# Altium PCB PCB.PcbDoc (part 1 of 4) (continued)
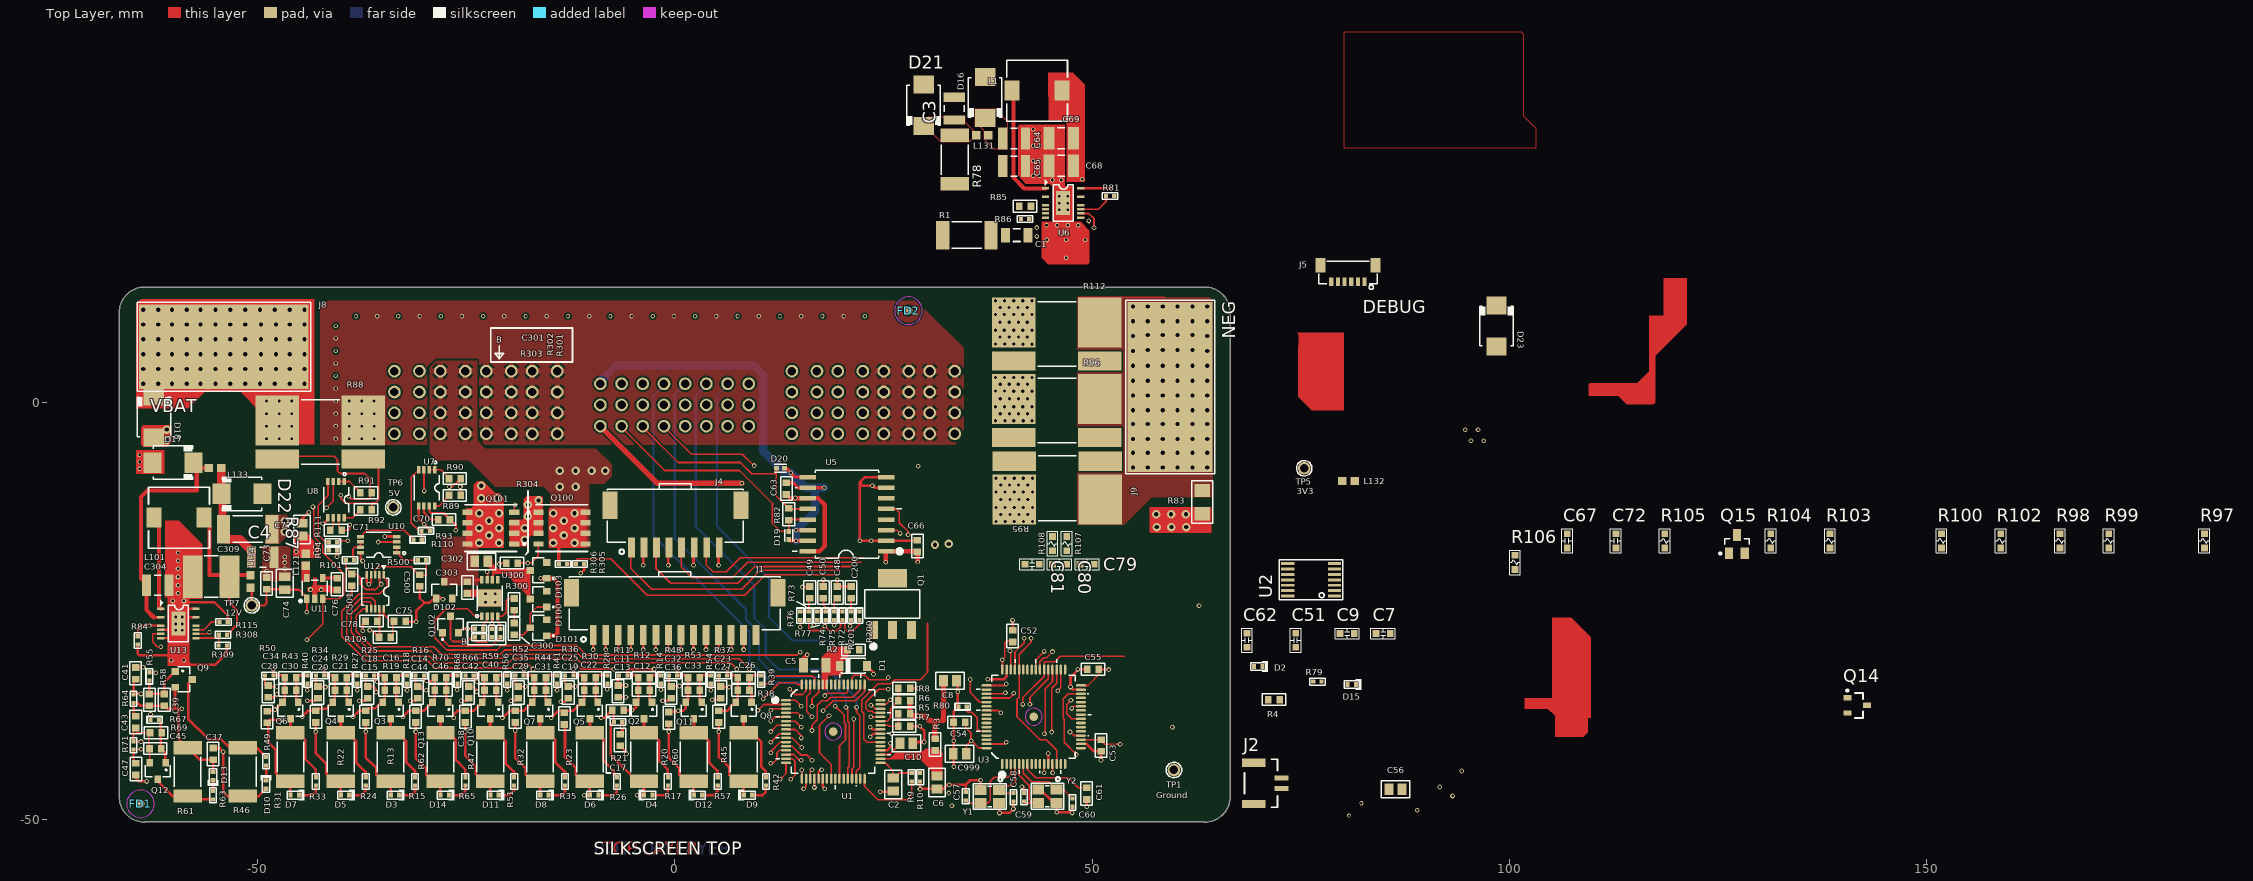
[diagram p0: Top Layer view]
## Components (designator, comment, footprint, x,y, rotation, side; value= is the part's Value field where it differs from the comment)
C1 "1uF, 100v, 1206" C1206 40.992,20.039 r0 top
C2 "2.2uF 10V 0805" C0805 26.187,-45.76 r90 top
C3 "4.7uF 100V 1210" C1210 33.5,35.2 r90 top
C4 "4.7uF 100V 1210" C1210 -49.339,-18.539 r0 top
C5 "1uF, 100v, 1206" C1206 16.792,-31.477 r0 top
C6 "1uf, 25V, 0805" C0805 31.436,-45.526 r270 top
C7 "100n, 100V, 0603" C0603#1 84.856,-27.685 r0 top
C8 "1uf, 25V, 0805" C0805 32.973,-33.334 r0 top
C9 "100n, 100V, 0603" C0603#1 80.556,-27.685 r0 top
C10 "1uf, 25V, 0805" C0805 27.753,-40.827 r0 top
C11 ".022uF, 0603, 100V" C0603#2 -6.791,-34.604 r270 top
C12 "10,000pF, 50V, 0603" C0603#2 -3.678,-34.477 r0 top
C13 "0.1uF, 50V, 0603" C0603#2 -6.791,-36.89 r180 top
C14 ".022uF, 0603, 100V" C0603#2 -30.794,-34.731 r270 top
C15 "0.1uF, 50V, 0603" C0603#2 -37.017,-37.652 r90 top
C16 "10,000pF, 50V, 0603" C0603#2 -34.031,-32.953 r180 top
C17 ".022uF, 0603, 100V" C0603#2 -6.537,-40.446 r270 top
C18 ".022uF, 0603, 100V" C0603#2 -36.763,-34.731 r270 top
C19 "0.1uF, 50V, 0603" C0603#2 -13.203,-37.881 r90 top
C20 "0.1uF, 50V, 0603" C0603#2 -42.986,-37.652 r90 top
C21 "10,000pF, 50V, 0603" C0603#2 -40,-34.477 r180 top
C22 "10,000pF, 50V, 0603" C0603#2 -10.155,-34.477 r180 top
C23 ".022uF, 0603, 100V" C0603#2 5.528,-34.731 r270 top
C24 ".022uF, 0603, 100V" C0603#2 -42.732,-34.731 r270 top
C25 ".022uF, 0603, 100V" C0603#2 -12.76,-34.731 r270 top
C26 "10,000pF, 50V, 0603" C0603#2 8.26,-32.953 r0 top
C27 "0.1uF, 50V, 0603" C0603#2 5.274,-37.652 r270 top
C28 "0.1uF, 50V, 0603" C0603#2 -48.831,-37.687 r90 top
C29 "0.1uF, 50V, 0603" C0603#2 -19.11,-37.652 r90 top
C30 "10,000pF, 50V, 0603" C0603#2 -46.034,-34.477 r180 top
C31 "10,000pF, 50V, 0603" C0603#2 -16.124,-34.477 r180 top
C32 ".022uF, 0603, 100V" C0603#2 -0.441,-34.731 r270 top
C33 "10,000pF, 50V, 0603" C0603#2 2.291,-34.477 r0 top
C34 ".022uF, 0603, 100V" C0603#2 -48.701,-34.604 r270 top
C35 ".022uF, 0603, 100V" C0603#2 -18.729,-34.731 r270 top
C36 "0.1uF, 50V, 0603" C0603#2 -0.695,-37.779 r270 top
C37 "0.1uF, 50V, 0603" C0603#2 -55.305,-42.097 r270 top
C38 "0.1uF, 50V, 0603" C0603#2 -25.079,-37.652 r90 top
C39 "10,000pF, 50V, 0603" C0603#2 -61.147,-35.62 r270 top
C40 "10,000pF, 50V, 0603" C0603#2 -22.093,-34.477 r180 top
C41 ".022uF, 0603, 100V" C0603#2 -64.576,-32.445 r90 top
C42 ".022uF, 0603, 100V" C0603#2 -24.698,-34.731 r270 top
C43 "0.1uF, 50V, 0603" C0603#2 -64.558,-38.304 r270 top
C44 "0.1uF, 50V, 0603" C0603#2 -31.048,-37.652 r90 top
C45 "10,000pF, 50V, 0603" C0603#2 -62.225,-41.462 r180 top
C46 "10,000pF, 50V, 0603" C0603#2 -28.062,-34.477 r180 top
C47 ".022uF, 0603, 100V" C0603#2 -64.551,-43.924 r270 top
C48 "10,000pF, 50V, 0603" C0603#2 19.47,-22.751 r90 top
C49 "10,000pF, 50V, 0603" C0603#2 16.184,-22.751 r90 top
C50 "10,000pF, 50V, 0603" C0603#2 17.819,-22.751 r90 top
C51 "100n, 100V, 0603" C0603#1 74.406,-28.485 r90 top
C52 "0.1uF, 50V, 0603" C0603#2 40.481,-28 r90 top
C53 "0.1uF, 50V, 0603" C0603#2 51.078,-41.09 r270 top
C54 "0.1uF, 50V, 0603" C0603#2 34.108,-38.304 r180 top
C55 "0.1uF, 50V, 0603" C0603#2 50.11,-31.962 r180 top
C56 "4.7uF, 16V, 0603" C0805 86.35,-46.35 r0 top
C57 "8PF, 0402" C0402 34.865,-47.177 r90 top
C58 "8PF, 0402" C0402 40.58,-47.304 r270 top
C59 "8PF, 0402" C0402 41.85,-47.304 r90 top
C60 "8PF, 0402" C0402 47.643,-47.939 r270 top
C61 "100pf, 50V, 0603" C0603#2 49.343,-46.861 r90 top
C62 "100n, 100V, 0603" C0603#1 68.556,-28.485 r90 top
C63 "0.1uF, 50V, 0603" C0603#2 13.376,-10.33 r90 top
C64 "4.7uF 100V 1210" C1210 40.66,31.62 r0 top
C65 "4.7uF 100V 1210" C1210 40.66,28.32 r0 top
C66 "0.1uF, 50V, 0603" C0603#2 29.083,-17.216 r90 top
C67 "0.1uF, 50V, 0603" C0603#1 106.906,-16.585 r90 top
C68 "47uf, 6.3V, 1210" C1210_N 46.305,28.353 r180 top
C69 "47uf, 6.3V, 1210" C1210_N 46.305,31.653 r180 top
C70 "100n, 100V, 0603" C0603#2 -27.619,-14.03 r0 top
C71 "100n, 100V, 0603" C0603#2 -40.569,-15.321 r0 top
C72 "1uF, 50V, 0603" C0603#1 112.756,-16.585 r90 top
C73 "10,000pF, 50V, 0603" C0603#2 -48.895,-21.675 r270 top
C74 "1uf, 25V, 0805" C0805 -46.718,-21.666 r270 top
C75 "10,000pF, 50V, 0603" C0603#2 -32.919,-26.206 r180 top
C76 "10,000pF, 50V, 0603" C0603#2 -40.446,-21.777 r90 top
C77 "2.2uF 10V 0805" C0805 -44.655,-15.234 r270 top
C78 "10,000pF, 50V, 0603" C0603#2 -36.338,-26.184 r0 top
C79 "100n, 100V, 0603" C0603#1 49.41,-19.4 r0 top
C80 "100n, 100V, 0603" C0603#1 46.1,-19.4 r0 top
C81 "100n, 100V, 0603" C0603#1 42.816,-19.4 r0 top
C200 "10,000pF, 50V, 0603" C0603#2 21.121,-22.751 r90 top
C300 "10,000pF, 50V, 0603" C0603#2 -19.237,-27.115 r90 top
C301 "4700pf, 50V, 0402" C0402 -23.428,-27.115 r180 top
C302 "0.33uf, 50V, 0805" C0805 -23.164,-19.039 r180 top
C303 "3300PF, 100V, 0603" C0603#2 -24.825,-22.19 r270 top
C304 "4.7uF 100V 1210" C1210 -61.934,-21.897 r0 top
C309 "22UF, 25V, 2220" C2220 -55.533,-20.863 r180 top
C500 "0.1uF, 50V, 0603" C0603#2 -30.54,-21.333 r270 top
C501 "0.1uF, 50V, 0603" C0603#2 -38.668,-21.247 r270 top
C999 "1uf, 25V, 0805" C0805 34.141,-42.083 r180 top
D1 "60V 500 mW" SOD-123 21.403,-31.556 r270 top
D2 "SML-P12MTT86R, 0402" D0402 69.9,-31.65 r180 top
D3 "SML-P12MTT86R, 0402" D0402 -33.523,-47.05 r180 top
D4 "SML-P12MTT86R, 0402" D0402 -3.17,-47.05 r0 top
D5 "SML-P12MTT86R, 0402" D0402 -39.492,-47.05 r180 top
D6 "SML-P12MTT86R, 0402" D0402 -9.647,-47.05 r180 top
D7 "SML-P12MTT86R, 0402" D0402 -45.526,-47.05 r180 top
D8 "SML-P12MTT86R, 0402" D0402 -15.616,-47.05 r180 top
D9 "SML-P12MTT86R, 0402" D0402 8.768,-47.05 r0 top
D10 "SML-P12MTT86R, 0402" D0402 -48.955,-45.78 r270 top
D11 "SML-P12MTT86R, 0402" D0402 -21.585,-47.05 r180 top
D12 "SML-P12MTT86R, 0402" D0402 2.799,-47.05 r0 top
D13 "SML-P12MTT86R, 0402" D0402 -55.305,-44.764 r90 top
D14 "SML-P12MTT86R, 0402" D0402 -27.554,-47.05 r180 top
D15 "SML-P12UTT86R, 0402" D0402_1 81.1,-33.8 r180 top
D16 "SMBJ48A" DO-214AA 37.2,36.55 r90 top
D17 "SMBJ48A" DO-214AA -60.113,-7.209 r180 top
D18 "SMBJ60A" DO-214AA -62.402,-1.75 r270 top
D19 "TPD1E10B09DPYR" 2X2SON 13.656,-15.935 r90 top
D20 "TPD1E10B09DPYR" 2X2SON 12.674,-7.883 r180 top
D21 "SMBJ60A" DO-214AA 29.825,35.6 r90 top
D22 "SMBJ60A" DO-214AA -51.85,-10.95 r0 top
D23 "SMBJ60A" DO-214AA 98.45,9.143 r270 top
D100 "BAS21" BAS21 -16.316,-23.555 r90 top
D101 "BAS21" BAS21 -16.316,-26.984 r90 top
D102 "BAS21" BAS21 -27.605,-22.488 r0 top
D103 "BZX84C12LT1G" SOT23-3 -16.316,-20.13 r90 top
FD1 "FIDUCIAL_REF" FIDUCIAL_REFDES -64,-48.083 r0 top
FD2 "FIDUCIAL_REF" FIDUCIAL_REFDES 28,11 r0 top
J1 "1.5mm CLIK-MATE 502584-1460" CONN14_1p5mm_SM 0,-25.333 r180 top
J2 "BM02B-GHS-TB" BM02B-GHS-TBT 67.956,-45.635 r0 top
J4 "1.5mm CLIK-MATE 502584-1460" CONN8_1P5MM_SM 0.073,-14.836 r180 top
J5 "SM06B-SURS-TF(LF)(SN)" 0.8mm 80.65,15.45 r180 top
J7 "ET60S-D04-3-08-D04-L-V1-S" ET60S-D04-3-08-D04-L-V1-S -0.016,0 r180 bottom locked
J8 "12GSOLDER" 12GPAD -54,6.67 r90 top
J9 "12GSOLDER" 12GPAD 59.35,1.85 r180 top
L1 "100 uh, 650 mA" IND_SRR7045 43.411,37.355 r0 top
L101 "100 uh, 650 mA" IND_SRR7045 -59.378,-13.809 r0 top
L121 "BLM18AG601SN1D" INDC1608X10N -44.2,-18.85 r90 top
L131 "BLM18AG601SN1D" INDC1608X10N 36.85,32 r0 top
L132 "BLM18AG601SN1D" INDC1608X10N 80.7,-9.4 r0 top
L133 "BLM18AG601SN1D" INDC1608X10N -55.051,-7.85 r180 top
L134 "BLM18AG601SN1D" INDC1608X10N -50.802,-21.46 r270 top
Q1 "SBCP56-16T1" SOT-223 26.083,-24.151 r0 top
Q2 "NVR5124PLT1G" SOT-23 -3.678,-36.89 r180 top
Q3 "NDS7002A" SOT-23 -34.031,-36.89 r180 top
Q4 "NDS7002A" SOT-23 -40,-36.89 r180 top
Q5 "NDS7002A" SOT-23 -10.155,-36.89 r180 top
Q6 "NDS7002A" SOT-23 -46.034,-36.89 r180 top
Q7 "NDS7002A" SOT-23 -16.124,-36.89 r180 top
Q8 "NVR5124PLT1G" SOT-23 8.26,-36.89 r180 top
Q9 "NDS7002A" SOT-23 -58.812,-33.182 r270 top
Q10 "NDS7002A" SOT-23 -22.093,-36.89 r180 top
Q11 "NVR5124PLT1G" SOT-23 2.291,-36.89 r180 top
Q12 "NDS7002A" SOT-23 -61.934,-44.139 r180 top
Q13 "NDS7002A" SOT-23 -28.062,-36.89 r180 top
Q14 "ZXMP10A13F" "SOT90P240X110-3N - ZXMP10A13F" 141.65,-36.3 r0 top
Q15 "BSS123" FAIR-SOT23-3_V 127.256,-16.985 r0 top
Q100 "BSC030N08NS5ATMA1" 8TDSON -13.522,-15.05 r0 top
Q101 "BSC030N08NS5ATMA1" 8TDSON -22.031,-15.05 r180 top
Q102 "MMBT2369" SOT-23-3 -26.857,-26.607 r0 top
R1 "100 ohm, 1W, 2512" 2512 35,20.05 r180 top
R2 "33R, 0603" R0603#1 21.403,-29.651 r180 top
R3 "33R, 0603" R0603#1 31.19,-41 r90 top
R4 "200R, 0603" R0603#1 71.797,-35.6 r180 top
R5 "DNP 0R, 0603" R0603#1 27.499,-37.271 r180 top
R6 "0R, 0603" R0603#1 27.499,-35.747 r180 top
R7 "0R, 0603" R0603#1 27.499,-38.795 r0 top
R8 "DNP 0R, 0603" R0603#1 27.499,-34.223 r0 top
R9 "DNP" R0402 28.388,-44.891 r270 top
R10 "DNP" R0402 29.404,-44.891 r90 top
R11 "1k, 0402" R0402 -6.156,-32.699 r180 top
R12 "330k, 0603" R0603#1 -3.678,-32.953 r0 top
R13 "42.2 OHM 1% 1.5W 2512" 2512 -34.031,-42.478 r270 top
R14 "10k, 0402" R0402 -1.646,-33.207 r270 top
R15 "1k, 0402" R0402 -31.11,-45.399 r90 top
R16 "1k, 0402" R0402 -30.54,-32.699 r180 top
R17 "1k, 0402" R0402 -0.822,-45.399 r90 top
R18 "10k, 0402" R0402 -32.064,-33.207 r270 top
R19 "330k, 0603" R0603#1 -34.031,-34.477 r180 top
R20 "42.2 OHM 1% 1.5W 2512" 2512 -3.678,-42.478 r90 top
R21 "1k, 0402" R0402 -6.791,-38.287 r0 top
R22 "42.2 OHM 1% 1.5W 2512" 2512 -40,-42.478 r270 top
R23 "42.2 OHM 1% 1.5W 2512" 2512 -10.155,-42.478 r270 top
R24 "1k, 0402" R0402 -37.017,-45.399 r90 top
R25 "1k, 0402" R0402 -36.509,-32.699 r180 top
R26 "1k, 0402" R0402 -6.918,-45.399 r90 top
R27 "10k, 0402" R0402 -38.033,-33.207 r270 top
R28 "10k, 0402" R0402 -8.061,-33.207 r270 top
R29 "330k, 0603" R0603#1 -40,-32.953 r180 top
R30 "330k, 0603" R0603#1 -10.155,-32.953 r180 top
R31 "42.2 OHM 1% 1.5W 2512" 2512 -46.034,-42.478 r270 top
R32 "42.2 OHM 1% 1.5W 2512" 2512 -16.124,-42.478 r270 top
R33 "1k, 0402" R0402 -42.986,-45.399 r90 top
R34 "1k, 0402" R0402 -42.478,-32.699 r180 top
R35 "1k, 0402" R0402 -13.141,-45.399 r90 top
R36 "1k, 0402" R0402 -12.633,-32.699 r180 top
R37 "1k, 0402" R0402 5.782,-32.699 r180 top
R38 "330k, 0603" R0603#1 8.26,-34.477 r0 top
R39 "10k, 0402" R0402 10.354,-33.207 r270 top
R40 "10k, 0402" R0402 -44.002,-33.207 r270 top
R41 "10k, 0402" R0402 -14.092,-33.207 r270 top
R42 "1k, 0402" R0402 10.927,-45.399 r90 top
R43 "330k, 0603" R0603#1 -46.034,-32.953 r180 top
R44 "330k, 0603" R0603#1 -16.124,-32.953 r180 top
R45 "42.2 OHM 1% 1.5W 2512" 2512 8.26,-42.478 r90 top
R46 "42.2 OHM 1% 1.5W 2512" 2512 -51.749,-44.256 r270 top
R47 "42.2 OHM 1% 1.5W 2512" 2512 -22.093,-42.478 r270 top
R48 "1k, 0402" R0402 -0.187,-32.699 r180 top
R49 "1k, 0402" R0402 -48.955,-42.994 r90 top
R50 "1k, 0402" R0402 -48.574,-32.699 r180 top
R51 "1k, 0402" R0402 -19.237,-45.399 r90 top
R52 "1k, 0402" R0402 -18.602,-32.699 r180 top
R53 "330k, 0603" R0603#1 2.291,-32.953 r0 top
R54 "10k, 0402" R0402 4.323,-33.207 r270 top
R55 "10k, 0402" R0402 -62.925,-32.826 r90 top
R56 "10k, 0402" R0402 -20.061,-33.207 r270 top
R57 "1k, 0402" R0402 5.147,-45.399 r90 top
R58 "330k, 0603" R0603#1 -62.925,-35.62 r270 top
R59 "330k, 0603" R0603#1 -22.093,-32.953 r180 top
R60 "42.2 OHM 1% 1.5W 2512" 2512 2.291,-42.478 r90 top
R61 "42.2 OHM 1% 1.5W 2512" 2512 -58.353,-44.256 r90 top
R62 "42.2 OHM 1% 1.5W 2512" 2512 -28.062,-42.478 r270 top
R63 "1k, 0402" R0402 -55.305,-47.058 r270 top
R64 "1k, 0402" R0402 -64.83,-35.493 r90 top
R65 "1k, 0402" R0402 -25.079,-45.399 r90 top
R66 "1k, 0402" R0402 -24.571,-32.699 r180 top
R67 "10k, 0402" R0402 -62.298,-38.033 r180 top
R68 "10k, 0402" R0402 -26.03,-33.207 r270 top
R69 "330k, 0603" R0603#1 -62.16,-39.581 r180 top
R70 "330k, 0603" R0603#1 -28.062,-32.953 r180 top
R71 "1k, 0402" R0402 -64.83,-41.081 r270 top
R72 "10k, 0402" R0402 20.121,-25.545 r270 top
R73 "10k, 0402" R0402 16.057,-25.545 r270 top
R74 "10k, 0402" R0402 18.089,-25.545 r270 top
R75 "10k, 0402" R0402 19.105,-25.545 r270 top
R76 "10k, 0402" R0402 15.041,-25.545 r270 top
R77 "10k, 0402" R0402 17.073,-25.545 r270 top
R78 "0.5 OHM 1% 1.5W 2512" 2512 33.55,29.1 r270 top
R79 "1k, 0402" R0402 77,-33.45 r0 top
R80 "10k, 0402" R0402 34.484,-36.447 r180 top
R81 "40.2k, 0402" R0402 52.158,24.733 r0 top
R82 "DNP 120 ohm, 0603" R0603#1 13.656,-13.395 r90 top
R83 "0R, 1206" R1206 63.2,-11.95 r90 top
R84 "100k, 0402" R0402 -64.322,-28.508 r270 top
R85 "330k, 0603" R0603#1 41.98,23.508 r0 top
R86 "15k, 0402" R0402 41.98,21.988 r180 top
R87 "0.5 OHM 1% 1.5W 2512" 2512 -51.15,-15.173 r0 top
R88 "WSL2512R0700FEA" R5931 -42.44,-3.555 r0 top
R89 "60.4, 0603" R0603#1 -26.347,-11.13 r0 top
R90 "60.4, 0603" R0603#1 -26.347,-9.13 r0 top
R91 "60.4, 0603" R0603#1 -36.98,-10.83 r0 top
R92 "60.4, 0603" R0603#1 -36.98,-12.83 r0 top
R93 "10k, 0402" R0402 -29.819,-15.383 r0 top
R94 "10k, 0402" R0402 -40.954,-17.713 r0 top
R95 "WSL59313L000FEA" R5931 45.828,-10.277 r180 top
R96 "WSL59313L000FEA" R5931 45.778,-0.968 r0 top
R97 "1M,1%, 0603" R0603#2 183.256,-16.585 r90 top
R98 "47R, 0603" R0603#2 165.956,-16.585 r90 top
R99 "10k, 0603" R0603#2 171.806,-16.585 r90 top
R100 "10k, 0603" R0603#2 151.756,-16.585 r90 top
R101 "10k, 0402" R0402 -38.916,-18.895 r180 top
R102 "10k, 0603" R0603#2 158.856,-16.585 r90 top
R103 "3.3M, 0603" R0603#2 138.406,-16.585 r90 top
R104 "505k, 0603" R0603#2 131.306,-16.585 r90 top
R105 "505k, 0603" R0603#2 118.606,-16.585 r90 top
R106 "16.5k, 0603" R0603#2 100.671,-19.169 r90 top
R107 "100R, 0603" R0603#2 46.95,-16.91 r270 top
R108 "100R, 0603" R0603#2 45.259,-16.91 r270 top
R109 "FERRITE BEAD 0603" R0603#1 -34.716,-28.122 r180 top
R110 "10k, 0402" R0402 -30.794,-16.443 r0 top
R111 "10k, 0402" R0402 -40.95,-16.718 r0 top
R112 "WSL59313L000FEA" R5931 45.776,8.2 r0 top
R115 "40.2k, 0402" R0402 -54.043,-26.29 r0 top
R200 "10k, 0402" R0402 22.137,-25.545 r270 top
R201 "10k, 0402" R0402 21.121,-25.545 r270 top
R300 "200R, 0603" R0603#1 -19.237,-24.194 r90 top
R301 "100k, 0402" R0402 -20.888,-27.623 r270 top
R302 "15k, 0402" R0402 -21.878,-27.623 r270 top
R303 "4.7k, 0402" R0402 -23.428,-28.131 r0 top
R304 "33R, 0603" R0603#1 -19.491,-19.241 r0 top
R305 "DNP 6.98k," R0402 -11.363,-19.364 r180 top value=6.98k
R306 "DNP, 100k, 0402" R0402 -13.395,-19.364 r180 top
R308 "200k, 0402" R0402 -54.122,-27.835 r180 top
R309 "147K,  0402" R0402 -54.148,-29.118 r0 top
R500 "10k, 0402" R0402 -30.278,-18.895 r0 top
TP1 "Test_point" TP 59.805,-44.026 r0 top
TP5 "Test_point" TP 75.417,-7.889 r90 top
TP6 "Test_point" TP -33.712,-12.57 r0 top
TP7 "Test_point" TP -50.671,-24.307 r0 top
U1 "ISL94212INZ" TQFP-64 18.99,-39.43 r0 top locked
U2 "bq34z100-G1" PW14 76.25,-21.25 r90 top
U3 "STM32F302R8T6" 64LQFP 43.009,-37.652 r90 top
U5 "TJA1052I" 16-SOIC 20.641,-13.395 r90 top
U6 "LTC3630A" LTC3630A 46.527,23.889 r270 top
U7 "LTC6102HVHMS8" 8MSOP -29.711,-10.234 r270 top
U8 "LTC6102HVHMS8" 8MSOP -40.569,-11.638 r270 top
U10 "LTC6078" 8MSOP -35.467,-17.038 r180 top
U11 "AP2210" SOT23-5 -43.113,-22.285 r0 top
U12 "LTC1865LIMS" 10-MSOP -35.874,-22.67 r270 top
U13 "LTC3630A" LTC3630A -59.448,-26.478 r270 top
U300 "LTC4446IMS8E#PBF" 8-MSOP -22.158,-23.432 r90 top
Y1 "CRYSTAL 24.0000MHZ" CRYSTAL_NX3225SA 37.743,-47.215 r180 top
Y2 "CRYSTAL 24.0000MHZ" CRYSTAL_NX3225SA 44.644,-47.177 r180 top

## Footprints (in the part's own frame and the unit in brackets; to place one, negate y for a bottom-side part, rotate by r counter-clockwise, add the part's x,y. Pads: shape width x height; smd on the part's side, far side on the other; paste and mask are expansions set on the pad)
0.8mm [mm]
  rect 0.5x1 smd mask+0.064: 1(-2,0.975) 2(-1.2,0.975) 3(-0.4,0.975) 4(0.4,0.975) 5(1.2,0.975) 6(2,0.975)
  rect 1.2x1.7 smd mask+0.064: ""(-3.3,-0.975) ""(3.3,-0.975)
  silkscreen extent -3.5,-1.48 3.5,1.9, body extent -3.5,-1.43 3.5,1.27, height 1.7
2X2SON [mm]
  rect 0.6x0.5 smd mask+0.064: 1(-0.5,0) 2(0.5,0)
  silkscreen extent -0.69,-0.46 0.69,0.46, body extent -0.65,-0.35 0.65,0.35, height 0.4
8-MSOP [mil] "IC OPAMP JFET 11MHZ SGL 8MSOP"
  rect 35x16.5 smd mask+2: 1(-85.68,38.39) 2(-85.68,12.8) 3(-85.68,-12.8) 4(-85.68,-38.39) 5(85.68,-38.39) 6(85.68,-12.8) 7(85.68,12.8) 8(85.68,38.39)
  rect 82x110 smd paste-80 mask+2: 9(0,0)
  silkscreen extent -92,-59 59,67, body extent -97,-59 97,59, height 43
8MSOP [mil] "IC OPAMP JFET 11MHZ SGL 8MSOP"
  rect 35x16.5 smd mask+2: 1(-85.46,38.39) 2(-85.46,12.8) 3(-85.46,-12.8) 4(-85.46,-38.39) 5(85.46,-38.39) 6(85.46,-12.8) 7(85.46,12.8) 8(85.46,38.39)
  silkscreen extent -127,-59 59,59, body extent -97,-59 97,59, height 43
8TDSON [mm] "TDSON 8, 1.27mm pitch; 8 pin,5.15 mm W X 5.9 mm L X 1.10 mm H body"
  rect 1.2x0.65 smd paste+0 mask+0.064: 1(-2.809,1.905) 2(-2.809,0.635) 3(-2.809,-0.635) 4(-2.809,-1.905)
  rect 1.2x0.65 smd mask+0.064: 5(2.81,-1.905) 6(2.81,-0.635) 7(2.81,0.635) 8(2.81,1.905)
  Top Layer region: 2.941,2.35 -1.559,2.35 -1.559,-2.35 2.941,-2.35
  silkscreen extent -4.12,-2.8 3.1,2.8, body extent -3.07,-2.7 3.07,2.7, height 1.01
10-MSOP [mil] "IC DAC 12BIT SRL DUAL 10MSOP"
  rect 35x12 smd mask+2.3: 1(-80.15,39.37) 2(-80.15,19.69) 3(-80.15,0) 4(-80.15,-19.69) 5(-80.15,-39.37) 6(80.15,-39.37) 7(80.15,-19.69) 8(80.15,0) 9(80.15,19.69) 10(80.15,39.37)
  silkscreen extent -125,-63 64,63, body extent -96,-63 96,62, height 43
12GPAD [mm]
  rect 10.16x20.32 smd paste-12.7 mask+0.064: 1(0,0)
  silkscreen extent -5.33,-10.41 5.33,10.41
16-SOIC [mm] "16-SOIC (0.295\", 7.50mm Width)"
  rect 0.55x1.95 smd mask+0.051: 1(-4.445,-4.7) 2(-3.175,-4.7) 3(-1.905,-4.7) 4(-0.635,-4.7) 5(0.635,-4.7) 6(1.905,-4.7) 7(3.175,-4.7) 8(4.445,-4.7) 9(4.445,4.7) 10(3.175,4.7) 11(1.905,4.7) 12(0.635,4.7) 13(-0.635,4.7) 14(-1.905,4.7) 15(-3.175,4.7) 16(-4.445,4.7)
  silkscreen extent -5.25,-6.58 5.25,6.58, body extent -5.15,-5.12 5.15,5.18, height 2.65
64LQFP [mm] "ADS1675IPAG"
  round 1.016 smd paste-0.508 mask+0.508: 0(0,0)
  oval 1.2x0.3 smd mask+0.051: 1(-5.65,3.75) 2(-5.65,3.25) 3(-5.65,2.75) 4(-5.65,2.25) 5(-5.65,1.75) 6(-5.65,1.25) 7(-5.65,0.75) 8(-5.65,0.25) 9(-5.65,-0.25) 10(-5.65,-0.75) 11(-5.65,-1.25) 12(-5.65,-1.75) 13(-5.65,-2.25) 14(-5.65,-2.75) 15(-5.65,-3.25) 16(-5.65,-3.75) 33(5.65,-3.75) 34(5.65,-3.25) 35(5.65,-2.75) 36(5.65,-2.25) 37(5.65,-1.75) 38(5.65,-1.25) 39(5.65,-0.75) 40(5.65,-0.25) 41(5.65,0.25) 42(5.65,0.75) 43(5.65,1.25) 44(5.65,1.75) 45(5.65,2.25) 46(5.65,2.75) 47(5.65,3.25) 48(5.65,3.75)
  oval 0.3x1.2 smd mask+0.051: 17(-3.75,-5.65) 18(-3.25,-5.65) 19(-2.75,-5.65) 20(-2.25,-5.65) 21(-1.75,-5.65) 22(-1.25,-5.65) 23(-0.75,-5.65) 24(-0.25,-5.65) 25(0.25,-5.65) 26(0.75,-5.65) 27(1.25,-5.65) 28(1.75,-5.65) 29(2.25,-5.65) 30(2.75,-5.65) 31(3.25,-5.65) 32(3.75,-5.65) 49(3.75,5.65) 50(3.25,5.65) 51(2.75,5.65) 52(2.25,5.65) 53(1.75,5.65) 54(1.25,5.65) 55(0.75,5.65) 56(0.25,5.65) 57(-0.25,5.65) 58(-0.75,5.65) 59(-1.25,5.65) 60(-1.75,5.65) 61(-2.25,5.65) 62(-2.75,5.65) 63(-3.25,5.65) 64(-3.75,5.65)
  Top Layer keep-out circle w0.025: c0,0 r1.016
  silkscreen extent -7.21,-6.88 6.91,6.86, body extent -6,-6 6,6, height 1.2
2512 [mm] "Basic 2512 footprint"
  rect 1.6x3.4 smd mask+0.075: 1(-2.9,0) 2(2.9,0)
  silkscreen extent -1.8,-1.6 1.8,1.6, body extent -3.3,-1.6 3.3,1.6, height 2
BAS21 [mm] "TO-236-3, SC-59, SOT-23-3"
  rect 0.8x0.9 smd: 2(0.95,-1) A(-0.95,-1) C(0,1)
  silkscreen extent -1.5,-1.88 1.5,0.71, body extent -1.45,-1.18 1.45,1.24, height 0.98
BM02B-GHS-TBT [mm] "JST GH Series, Top Entry Type, 02 position"
  rect 1.7x0.6 smd: 1(4.75,-0.625) 2(4.75,0.625)
  rect 2.8x1 smd: TAB1(1.4,-2.475) TAB2(1.4,2.475)
  silkscreen extent 0.3,-2.88 4.25,2.88
C0402 [mm]
  rect 0.5x0.5 smd mask+0.064: 1(-0.5,0) 2(0.5,0)
  silkscreen extent -0.91,-0.41 0.91,0.41, body extent -0.52,-0.3 0.52,0.3, height 0.34
C0603#1 [mm]
  rect 0.8x0.8 smd: 1(-0.85,0) 2(0.85,0)
  silkscreen extent -1.45,-0.65 1.45,0.65
C0603#2 [mm] "Chip Capacitor, 2-Leads, Body 1.6x0.8mm, IPC High Density"
  rect 0.8x0.9 smd mask+0.064: 1(-0.7,0) 2(0.7,0)
  Top Layer pour cut-out: -0.356,0.508 0.356,0.508 0.356,-0.508 -0.356,-0.508
  silkscreen extent -1.4,-0.7 1.4,0.7, body extent -0.8,-0.43 0.8,0.37, height 0.3
C0805 [mm] "Chip Capacitor, 2-Leads, Body 2.0x1.2mm, IPC High Density"
  rect 1.05x1.35 smd: 1(-0.775,0) 2(0.775,0)
  Top Layer pour cut-out: -0.305,0.762 0.305,0.762 0.305,-0.762 -0.305,-0.762
  silkscreen extent -1.7,-1 1.7,1, body extent -1,-0.62 1,0.63, height 0.78
C1206 [mm] "Chip Capacitor, Body 3.2x1.6mm, IPC High Density"
  rect 1.1x1.7 smd: 1(-1.35,0) 2(1.35,0)
  silkscreen extent -0.4,-0.75 0.4,0.75, body extent -1.7,-0.9 1.7,0.9, height 1.3
C1210 [mm] "Chip Resistor, Body 3.2x2.5mm, IPC High Density"
  rect 1.1x2.6 smd: 1(-1.35,0) 2(1.35,0)
  silkscreen extent -0.4,-1.2 0.4,1.2, body extent -1.6,-1.25 1.6,1.25, height 1.3
C1210_N [mm] "Chip Capacitor, Body 3.2x2.5mm, IPC Medium Density"
  rect 1.3x2.7 smd: 1(-1.45,0) 2(1.45,0)
  silkscreen extent -0.4,-1.25 0.4,1.25, body extent -1.7,-1.35 1.7,1.35, height 1.5
C2220 [mm] "Basic 2220 footprint"
  rect 2.35x5.08 smd mask+0.075: 1(-2.2,0) 2(2.2,0)
  silkscreen extent -0.84,-2.5 0.81,2.5, body extent -2.9,-2.5 2.9,2.5, height 3.1
CONN8_1P5MM_SM [mm] "CONN8_1P5MM_SM"
  rect 0.8x2.4 smd mask+0.051: 1(5.25,2.525) 2(3.75,2.525) 3(2.25,2.525) 4(0.75,2.525) 5(-0.75,2.525) 6(-2.25,2.525) 7(-3.75,2.525) 8(-5.25,2.525)
  rect 1.8x3.3 smd mask+0.051: ""(-7.85,-2.525) ""(7.85,-2.525)
  silkscreen extent -8.15,-5.08 8.15,3.33, body extent -8.15,-4.07 8.15,3.56, height 3.18
CONN14_1p5mm_SM [mm] "CONN14_1P5MM_SM"
  rect 0.8x2.4 smd mask+0.051: 1(9.75,2.525) 2(8.25,2.525) 3(6.75,2.525) 4(5.25,2.525) 5(3.75,2.525) 6(2.25,2.525) 7(0.75,2.525) 8(-0.75,2.525) 9(-2.25,2.525) 10(-3.75,2.525) 11(-5.25,2.525) 12(-6.75,2.525) 13(-8.25,2.525) 14(-9.75,2.525)
  rect 1.8x3.3 smd mask+0.051: ""(-12.35,-2.525) ""(12.35,-2.525)
  silkscreen extent -12.65,-5.08 12.65,3.33, body extent -12.65,-4.45 12.65,3.18, height 13.18
CRYSTAL_NX3225SA [mm] "TCXO 4 Pin 2520 Package"
  rect 1.4x1.2 smd mask+0.051: 1(-1.1,-0.8) 2(1.1,-0.8) 3(1.1,0.8) 4(-1.1,0.8)
  silkscreen extent -1.96,-2.3 1.96,1.55, body extent -1.65,-1.25 1.63,1.25, height 0.6
D0402 [mm]
  rect 0.5x0.6 smd mask+0.051: A(0.5,0) C(-0.5,0)
  silkscreen extent -1.14,-0.64 0.89,0.63, body extent -0.5,-0.3 0.5,0.3, height 0.25
D0402_1 [mm]
  rect 0.5x0.6 smd mask+0.051: 1(0.5,0) 2(-0.5,0)
  silkscreen extent -1.14,-0.64 0.89,0.63, body extent -0.5,-0.3 0.5,0.3, height 0.25
DO-214AA [mil] "DO214AC SMT Diode footprint cathode pin 1"
  rect 85x96 smd mask+2.5: 1(96.93,0) 2(-96.93,0)
  silkscreen extent -94,-79 94,79, body extent -91,-79 91,79, height 103
ET60S-D04-3-08-D04-L-V1-S [mil] "ET60S-D04-3-08-D04-L-V1-S"
  round 60 hole 40 mask+3: 1(350,-111.81) 2(250,-111.81) 3(150,-111.81) 4(50,-111.81) 5(-50,-111.81) 6(-150,-111.81) 7(-250,-111.81) 8(-350,-111.81) 9(350,-11.81) 10(250,-11.81) 11(150,-11.81) 12(50,-11.81) 13(-50,-11.81) 14(-150,-11.81) 15(-250,-11.81) 16(-350,-11.81) 17(350,88.19) 18(250,88.19) 19(150,88.19) 20(50,88.19) 21(-50,88.19) 22(-150,88.19) 23(-250,88.19) 24(-350,88.19) P1(1203.15,-147.64) P1(1203.15,-49.21) P1(1203.15,49.21) P1(1203.15,147.64) P1(1321.26,-147.64) P1(1321.26,-49.21) P1(1321.26,49.21) P1(1321.26,147.64) P2(986.61,-147.64) P2(986.61,-49.21) P2(986.61,49.21) P2(986.61,147.64) P2(1104.72,-147.64) P2(1104.72,-49.21) P2(1104.72,49.21) P2(1104.72,147.64) P3(770.08,-147.64) P3(770.08,-49.21) P3(770.08,49.21) P3(770.08,147.64) P3(888.19,-147.64) P3(888.19,-49.21) P3(888.19,49.21) P3(888.19,147.64) P4(553.54,-147.64) P4(553.54,-49.21) P4(553.54,49.21) P4(553.54,147.64) P4(671.65,-147.64) P4(671.65,-49.21) P4(671.65,49.21) P4(671.65,147.64) P5(-671.65,-147.64) P5(-671.65,-49.21) P5(-671.65,49.21) P5(-671.65,147.64) P5(-553.54,-147.64) P5(-553.54,-49.21) P5(-553.54,49.21) P5(-553.54,147.64) P6(-888.19,-147.64) P6(-888.19,-49.21) P6(-888.19,49.21) P6(-888.19,147.64) P6(-770.08,-147.64) P6(-770.08,-49.21) P6(-770.08,49.21) P6(-770.08,147.64) P7(-1104.72,-147.64) P7(-1104.72,-49.21) P7(-1104.72,49.21) P7(-1104.72,147.64) P7(-986.61,-147.64) P7(-986.61,-49.21) P7(-986.61,49.21) P7(-986.61,147.64) P8(-1321.26,-147.64) P8(-1321.26,-49.21) P8(-1321.26,49.21) P8(-1321.26,147.64) P8(-1203.15,-147.64) P8(-1203.15,-49.21) P8(-1203.15,49.21) P8(-1203.15,147.64)
  silkscreen extent -1669,-367 1670,354, body extent -1673,-369 1665,340, height 567
FAIR-SOT23-3_V [mm] "SOT23, 3-Leads, Body 2.92x1.3mm, Pitch 0.95mm"
  rect 1x1.4 smd: 1(-0.95,-1.1) 2(0.95,-1.1) 3(0,1.1)
  silkscreen extent -2.12,-1.22 1.46,0.65, body extent -1.46,-0.65 1.46,0.65, height 1.2
FIDUCIAL_REFDES [mil]
  round 40 smd mask+40: ""(0,0)
  Top Layer keep-out circle w1: c0,0 r65
IND_SRR7045 [mm] "Bourns Inductor Series SRR7045"
  rect 1.8x2.4 smd: 1(-3,0) 2(3,0)
  silkscreen extent -3.65,-3.65 3.65,3.65, body extent -3.65,-3.65 3.65,3.65, height 4.5
INDC1608X10N [mm] "Chip Inductor, 2-Leads, Body 1.60x0.80mm, IPC Medium Density"
  rect 1.02x0.98 smd: 1(-0.74,0) 2(0.74,0)
  body extent -0.87,-0.48 0.87,0.48, height 0.95
LTC3630A [mm]
  rect 0.305x0.89 smd mask+0.051: 1(-1.75,-2.105) 3(-0.75,-2.105) 5(0.25,-2.105) 6(0.75,-2.105) 7(1.25,-2.105) 8(1.75,-2.105) 9(1.75,2.105) 10(1.25,2.105) 11(0.75,2.105) 12(0.25,2.105) 14(-0.75,2.105) 16(-1.75,2.105)
  rect 2.9x1.7 smd paste-3.861 mask+0.051: 17(0,0)
  silkscreen extent -2.84,-2.21 2.21,1.2, body extent -2.06,-2.49 2.11,2.49, height 0.6
PW14 [mm] "14-TSSOP (0.173\", 4.40mm Width)"
  rect 0.35x1.6 smd mask+0.05: 1(-1.95,-2.8) 2(-1.3,-2.8) 3(-0.65,-2.8) 4(0,-2.8) 5(0.65,-2.8) 6(1.3,-2.8) 7(1.95,-2.8) 8(1.95,2.8) 9(1.3,2.8) 10(0.65,2.8) 11(0,2.8) 12(-0.65,2.8) 13(-1.3,2.8) 14(-1.95,2.8)
  silkscreen extent -2.4,-3.8 2.4,3.8, body extent -2.25,-2.2 2.25,2.2, height 1.2
R0402 [mm]
  rect 0.5x0.5 smd mask+0.064: 1(-0.5,0) 2(0.5,0)
  silkscreen extent -0.91,-0.41 0.91,0.41, body extent -0.52,-0.3 0.52,0.3, height 0.34
R0603#1 [mm] "Chip Capacitor, 2-Leads, Body 1.6x0.8mm, IPC High Density"
  rect 0.8x0.9 smd mask+0.064: 1(-0.7,0) 2(0.7,0)
  Top Layer pour cut-out: -0.356,0.508 0.356,0.508 0.356,-0.508 -0.356,-0.508
  silkscreen extent -1.4,-0.7 1.4,0.7, body extent -0.8,-0.43 0.8,0.37, height 0.3
R0603#2 [mm]
  rect 0.8x0.8 smd: 1(-0.85,0) 2(0.85,0)
  silkscreen extent -1.45,-0.65 1.45,0.65
R1206 [mm] "Chip Capacitor; Body 3.2 x 1.6 mm (LxW typ)"
  rect 1.6x1.8 smd: 1(-1.4,0) 2(1.4,0)
  silkscreen extent -2.54,-1.27 2.54,1.27, body extent -1.6,-0.8 1.6,0.8, height 1
R5931 [mm]
  rect 5.2x6 smd paste-8.738: 1(-5.15,1.375) 2(5.15,1.375)
  rect 5.2x2.3 smd: 3(-5.15,-3.225)
  rect 5.2x2.3 smd mask+0.102: 4(5.15,-3.225)
  silkscreen extent -2.3,-3.88 2.3,3.88, body extent -7.5,-3.88 7.5,3.88, height 1.33
SOD-123 [mil] "SOD-123"
  rect 48x36 smd mask+2: A(0,64.51) C(0,-64.51)
  silkscreen extent -35,-56 35,56, body extent -33,-76 34,76, height 56
SOT23-3 [mm] "TO-236-3, SC-59, SOT-23-3"
  rect 0.8x0.9 smd: 2(0.95,-1) A(-0.95,-1) C(0,1)
  silkscreen extent -1.5,-1.88 1.5,0.71, body extent -1.45,-1.18 1.45,1.24, height 0.98
SOT23-5 [mm]
  rect 0.66x1 smd: 1(-0.95,-1.25) 2(0,-1.25) 3(0.95,-1.25) 4(0.95,1.25) 5(-0.95,1.25)
  silkscreen extent -1.8,-1.6 1.5,1, body extent -1.46,-1.17 1.46,1.17, height 1
"SOT90P240X110-3N - ZXMP10A13F" [mm] "SOT23, 3-Leads, Body 2.90x2.40mm, Pitch 0.90mm, IPC Medium Density"
  rect 0.95x0.65 smd: 1(-1.175,0.9) 2(-1.175,-0.9) 3(1.175,0)
  silkscreen extent -1.3,-1.5 0.7,1.9, body extent -1.25,-1.5 1.25,1.5, height 1.1
SOT-23 [mm] "TO-236-3, SC-59, SOT-23-3"
  rect 0.8x0.9 smd: D(0,1) G(-0.95,-1) S(0.95,-1)
  silkscreen extent -1.5,-0.7 1.5,0.71, body extent -1.45,-1.18 1.45,1.24, height 0.98
SOT-23-3 [mm] "TO-236-3, SC-59, SOT-23-3"
  rect 0.8x0.9 smd: 1(-0.95,-1) 2(0.95,-1) 3(0,1)
  silkscreen extent -1.5,-1.88 1.5,0.71, body extent -1.45,-1.18 1.45,1.24, height 0.98
SOT-223 [mil]
  rect 43x86 smd: 1(-90,-122) 2(0,-122) 3(90,-122)
  rect 138x86 smd: 4(0,122)
  silkscreen extent -130,-210 130,68, body extent -125,-131 131,143, height 67
TP [mil]
  round 60 hole 40 mask+2.5: 1(0,0)
  silkscreen extent -36,-36 36,36
TQFP-64 [mm] "ADS1675IPAG"
  round 1.016 smd paste-0.508 mask+0.508: 0(0,0)
  oval 1.2x0.3 smd mask+0.051: 1(-5.65,3.75) 2(-5.65,3.25) 3(-5.65,2.75) 4(-5.65,2.25) 5(-5.65,1.75) 6(-5.65,1.25) 7(-5.65,0.75) 8(-5.65,0.25) 9(-5.65,-0.25) 10(-5.65,-0.75) 11(-5.65,-1.25) 12(-5.65,-1.75) 13(-5.65,-2.25) 14(-5.65,-2.75) 15(-5.65,-3.25) 16(-5.65,-3.75) 33(5.65,-3.75) 34(5.65,-3.25) 35(5.65,-2.75) 36(5.65,-2.25) 37(5.65,-1.75) 38(5.65,-1.25) 39(5.65,-0.75) 40(5.65,-0.25) 41(5.65,0.25) 42(5.65,0.75) 43(5.65,1.25) 44(5.65,1.75) 45(5.65,2.25) 46(5.65,2.75) 47(5.65,3.25) 48(5.65,3.75)
  oval 0.3x1.2 smd mask+0.051: 17(-3.75,-5.65) 18(-3.25,-5.65) 19(-2.75,-5.65) 20(-2.25,-5.65) 21(-1.75,-5.65) 22(-1.25,-5.65) 23(-0.75,-5.65) 24(-0.25,-5.65) 25(0.25,-5.65) 26(0.75,-5.65) 27(1.25,-5.65) 28(1.75,-5.65) 29(2.25,-5.65) 30(2.75,-5.65) 31(3.25,-5.65) 32(3.75,-5.65) 49(3.75,5.65) 50(3.25,5.65) 51(2.75,5.65) 52(2.25,5.65) 53(1.75,5.65) 54(1.25,5.65) 55(0.75,5.65) 56(0.25,5.65) 57(-0.25,5.65) 58(-0.75,5.65) 59(-1.25,5.65) 60(-1.75,5.65) 61(-2.25,5.65) 62(-2.75,5.65) 63(-3.25,5.65) 64(-3.75,5.65)
  Top Layer keep-out circle w0.025: c0,0 r1.016
  silkscreen extent -7.21,-6.88 6.91,6.86, body extent -6,-6 6,6, height 1.2

## Part data
C1 C5: library part Cap, "CAP CER 1UF 100V X7R 1210 AUTO F", Capacitance=1uF, Case/Package=1210, Dielectric=X7R, Dielectric Material=Ceramic, Manufacturer=KEMET, Manufacturer Part Number=C1210X105K1RACAUTO, Supplier Part Number 1=399-16434-1-ND, Tolerance=10%, Voltage Rating (DC)=100V, Pricing 1="1=2.07, 10=1.677, 100=1.2803, 500=0.9755, 1000=0.85356 (USD)", Stock 1=335, Supplier 1=Digi-Key
C2 C77: library part CAP-Generic-0805, "CAP CER 2.2UF 10V 10% X7R 0805", Capacitance=2.2uF, Case/Package=0805, Case Code (Metric)=2012, Dielectric=X7R, Dielectric Material=Ceramic, Manufacturer=KEMET, Manufacturer Part Number=C0805X225K8RACAUTO, Max Operating Temperature=125°C, Min Operating Temperature=-55°C, Ratings=AEC-Q200, Supplier Part Number 1=399-11602-1-ND, Tolerance=10%, Voltage Rating=10V, Case Code (Imperial)=0805, Features="Soft Termination", Length=0.079inch, Mount="Surface Mount", Packaging="Tape and Reel", Pricing 1="1=0.9, 10=0.667, 100=0.4571, 500=0.36184, 1000=0.3047 (USD)", Pricing 2="1=1.06, 10=0.715, 50=0.715, 100=0.446, 1000=0.369, 10000=0.228 (USD)", Stock 1=2328, Stock 2=4965, Supplier 1=Digi-Key, Supplier 2=Mouser, Supplier Part Number 2=80-C0805X225K8RAUTO, Thickness=0.055inch, Voltage Rating (DC)=10V, Width=0.049inch
C3 C4: library part CAP-GENERIC, "CAP CER 4.7UF 100V 10% X7S 1210", Capacitance=4.7uF, Case Code (Imperial)=1210, Case Code (Metric)=3225, Dielectric=X7S, Manufacturer=TDK, Manufacturer Part Number=CGA6M3X7S2A475K200AE, Max Operating Temperature=125°C, Min Operating Temperature=-55°C, Package Quantity=1, Ratings=AEC-Q200, Supplier Part Number 1=445-8790-1-ND, Tolerance=10%, Voltage Rating=100V, Case/Package=1210, ComponentLink1Description=http://www.mouser.com/ds/2/400/lcc_automotive_midvoltage_en-355485.pdf, ComponentLink1URL=http://www.mouser.com/ds/2/400/lcc_automotive_midvoltage_en-355485.pdf, ComponentLink2Description=http://www.farnell.com/datasheets/1839935.pdf, ComponentLink2URL=http://www.farnell.com/datasheets/1839935.pdf, ComponentLink3Description=http://www.mouser.com/ds/2/400/lcc_commercial_soft_en-775842.pdf, ComponentLink3URL=http://www.mouser.com/ds/2/400/lcc_commercial_soft_en-775842.pdf, Depth=2.5mm, Features="Soft Termination", Height=2mm, Lead Free="Lead Free", Length=3.2mm, Mount="Surface Mount", Packaging="Tape and Reel", Pricing 1="1=2.3, 10=1.86, 100=1.42, 500=1.08192 (USD)", Pricing 2="1=2.3, 10=1.86, 50=1.86, 100=1.42, 1000=0.98, 10000=0.98 (USD)", REACH SVHC="No SVHC", Stock 1=0, Stock 2=205, Supplier 1=Digi-Key, Supplier 2=Mouser, Supplier Part Number 2=810-CGA6M3X7S2A475KS, Termination=SMD/SMT, Thickness=0.087inch, Voltage Rating (DC)=100V, Weight=0.000564oz, Width=0.098inch
C6 C8 C10 C74 C999: library part CAP-Generic-0402, "CAP CER 1UF 25V X7R 0805", Capacitance=1uF, Case/Package=0805, Case Code (Metric)=2012, Dielectric=X7R, Manufacturer=Murata, Manufacturer Part Number=GCJ21BR71E105KA12L, Max Operating Temperature=125°C, Min Operating Temperature=-55°C, Package Quantity=3000, Ratings=AEC-Q200, Supplier Part Number 1=490-5802-1-ND, Tolerance=10%, Voltage Rating=25V, Case Code (Imperial)=0805, Depth=1.25mm, Features="Soft Termination", Lead Free="Lead Free", Length=2mm, Mount="Surface Mount", Packaging="Tape and Reel", Pricing 1="1=0.48, 10=0.333, 100=0.1997, 500=0.14974, 1000=0.12645 (USD)", Stock 1=116649, Supplier 1=Digi-Key, Termination=SMD/SMT, Thickness=0.057inch, Voltage Rating (DC)=25V, Width=1.25mm
C7 C9 C51 C62 C79 C80 C81: library part Cap, "CAP CER 100n 100V X7R 0603", Capacitance=100nF, Case Code (Imperial)=0603, Case Code (Metric)=1608, Manufacturer=Murata, Manufacturer Part Number=GCJ188R72A104KA01D, Max Operating Temperature=125°C, Min Operating Temperature=-55°C, Ratings=AEC-Q200, Supplier Part Number 1=490-13420-1-ND, Tolerance=10%, Voltage Rating=100V, Case/Package=0603, Features="Soft Termination", Lead Free="Lead Free", Length=0.063inch, Mount="Surface Mount", Packaging="Tape and Reel", Pricing 1="1=0.28, 10=0.189, 100=0.1073, 500=0.07578, 1000=0.0663 (USD)", Pricing 2="1=0.26, 10=0.173, 50=0.173, 100=0.099, 1000=0.061, 10000=0.05 (USD)", Stock 1=224293, Stock 2=680575, Supplier 1=Digi-Key, Supplier 2=Mouser, Supplier Part Number 2=81-GCJ188R72A104KA1D, Thickness=0.035inch, Width=0.031inch
C11 C14 C17 C18 C23 C24 C25 C32 C34 C35 C41 C42 C47: library part CAP-Generic-0402, "CAP CER 0.022UF 100V X7R 0603", Capacitance=22nF, Case/Package=0603, Case Code (Metric)=1608, Dielectric=X7R, Manufacturer=Murata, Manufacturer Part Number=GCJ188R72A223KA01D, Max Operating Temperature=125°C, Min Operating Temperature=-55°C, Package Quantity=4000, Ratings=AEC-Q200, Supplier Part Number 1=490-5769-1-ND, Tolerance=10%, Voltage Rating=100V, Case Code (Imperial)=0603, ComponentLink1Description=http://www.mouser.com/ds/2/212/KEM_C1002_X7R_SMD-1102033.pdf, ComponentLink1URL=http://www.mouser.com/ds/2/212/KEM_C1002_X7R_SMD-1102033.pdf, ComponentLink2Description=https://www.verical.com/server-webapp/html/getDatasheet?partID=38414, ComponentLink2URL=https://www.verical.com/server-webapp/html/getDatasheet?partID=38414, ComponentLink3Description=https://www.murata.com/~/media/webrenewal/support/library/catalog/products/capacitor/mlcc/c03e.ashx?la=en-us&src-supplier=Digi-Key, ComponentLink3URL=https://www.murata.com/~/media/webrenewal/support/library/catalog/products/capacitor/mlcc/c03e.ashx?la=en-us&src-supplier=Digi-Key, ComponentLink4Description=http://search.murata.co.jp/Ceramy/image/img/A01X/partnumbering_e_02.pdf?src-supplier=Digi-Key, ComponentLink4URL=http://search.murata.co.jp/Ceramy/image/img/A01X/partnumbering_e_02.pdf?src-supplier=Digi-Key, Depth=0.8mm, Features="Soft Termination", Height=0.8mm, Lead Free="Lead Free", Length=1.6mm, Mount="Surface Mount", Packaging="Tape and Reel", Pricing 1="1=0.4, 10=0.277, 100=0.1572, 500=0.11096, 1000=0.0971 (USD)", Radiation Hardening=No, Stock 1=480265, Supplier 1=Digi-Key, Termination=SMD/SMT, Thickness=0.031inch, Voltage Rating (DC)=100V, Width=0.031inch
C12 C16 C21 C22 C26 C30 C31 C33 C39 C40 C45 C46 C48 C49 C50 C73 C75 C76 C78 C200 C300: library part CAP-Generic-0603, "CAP CER 10000PF 50V X7R 0603", Capacitance=10nF, Case/Package=0603, Case Code (Metric)=1608, Dielectric=X7R, Manufacturer=TDK, Manufacturer Part Number=CGA3E2X7R1H103K080AE, Max Operating Temperature=125°C, Min Operating Temperature=-55°C, Package Quantity=4000, Ratings=AEC-Q200, Supplier Part Number 1=445-15955-1-ND, Tolerance=10%, Voltage Rating=50V, Case Code (Imperial)=0603, Features="Soft Termination", Height=0.8mm, Length=0.063inch, Mount="Surface Mount", Packaging="Tape and Reel", Pricing 1="1=0.27, 10=0.186, 100=0.0944, 500=0.06458, 1000=0.05713 (USD)", Stock 1=42633, Supplier 1=Digi-Key, Termination=SMD/SMT, Thickness=0.035inch, Voltage Rating (DC)=50V, Weight=7.1E-05oz, Width=0.031inch
C13 C15 C19 C20 C27 C28 C29 C36 C37 C38 C43 C44 C52 C53 C54 C55 C63 C66 C67 C500 C501: library part CAP-Generic-0603, "CAP CER 0.1UF 50V 10% X7R 0603", Case/Package=0603, Manufacturer=Murata, Manufacturer Part Number=GCJ188R71E104KA12D, Supplier Part Number 1=490-16477-1-ND, Pricing 1="1=0.22, 10=0.152, 100=0.077, 500=0.0527, 1000=0.04662 (USD)", Pricing 2="1=0.21, 10=0.139, 50=0.139, 100=0.071, 1000=0.043, 10000=0.035 (USD)", Stock 1=2560, Stock 2=47905, Supplier 1=Digi-Key, Supplier 2=Mouser, Supplier Part Number 2=81-GCJ188R71E104KA2D